# Altium PCB STM32F207VC.PcbDoc (part 10 of 16) (continued)
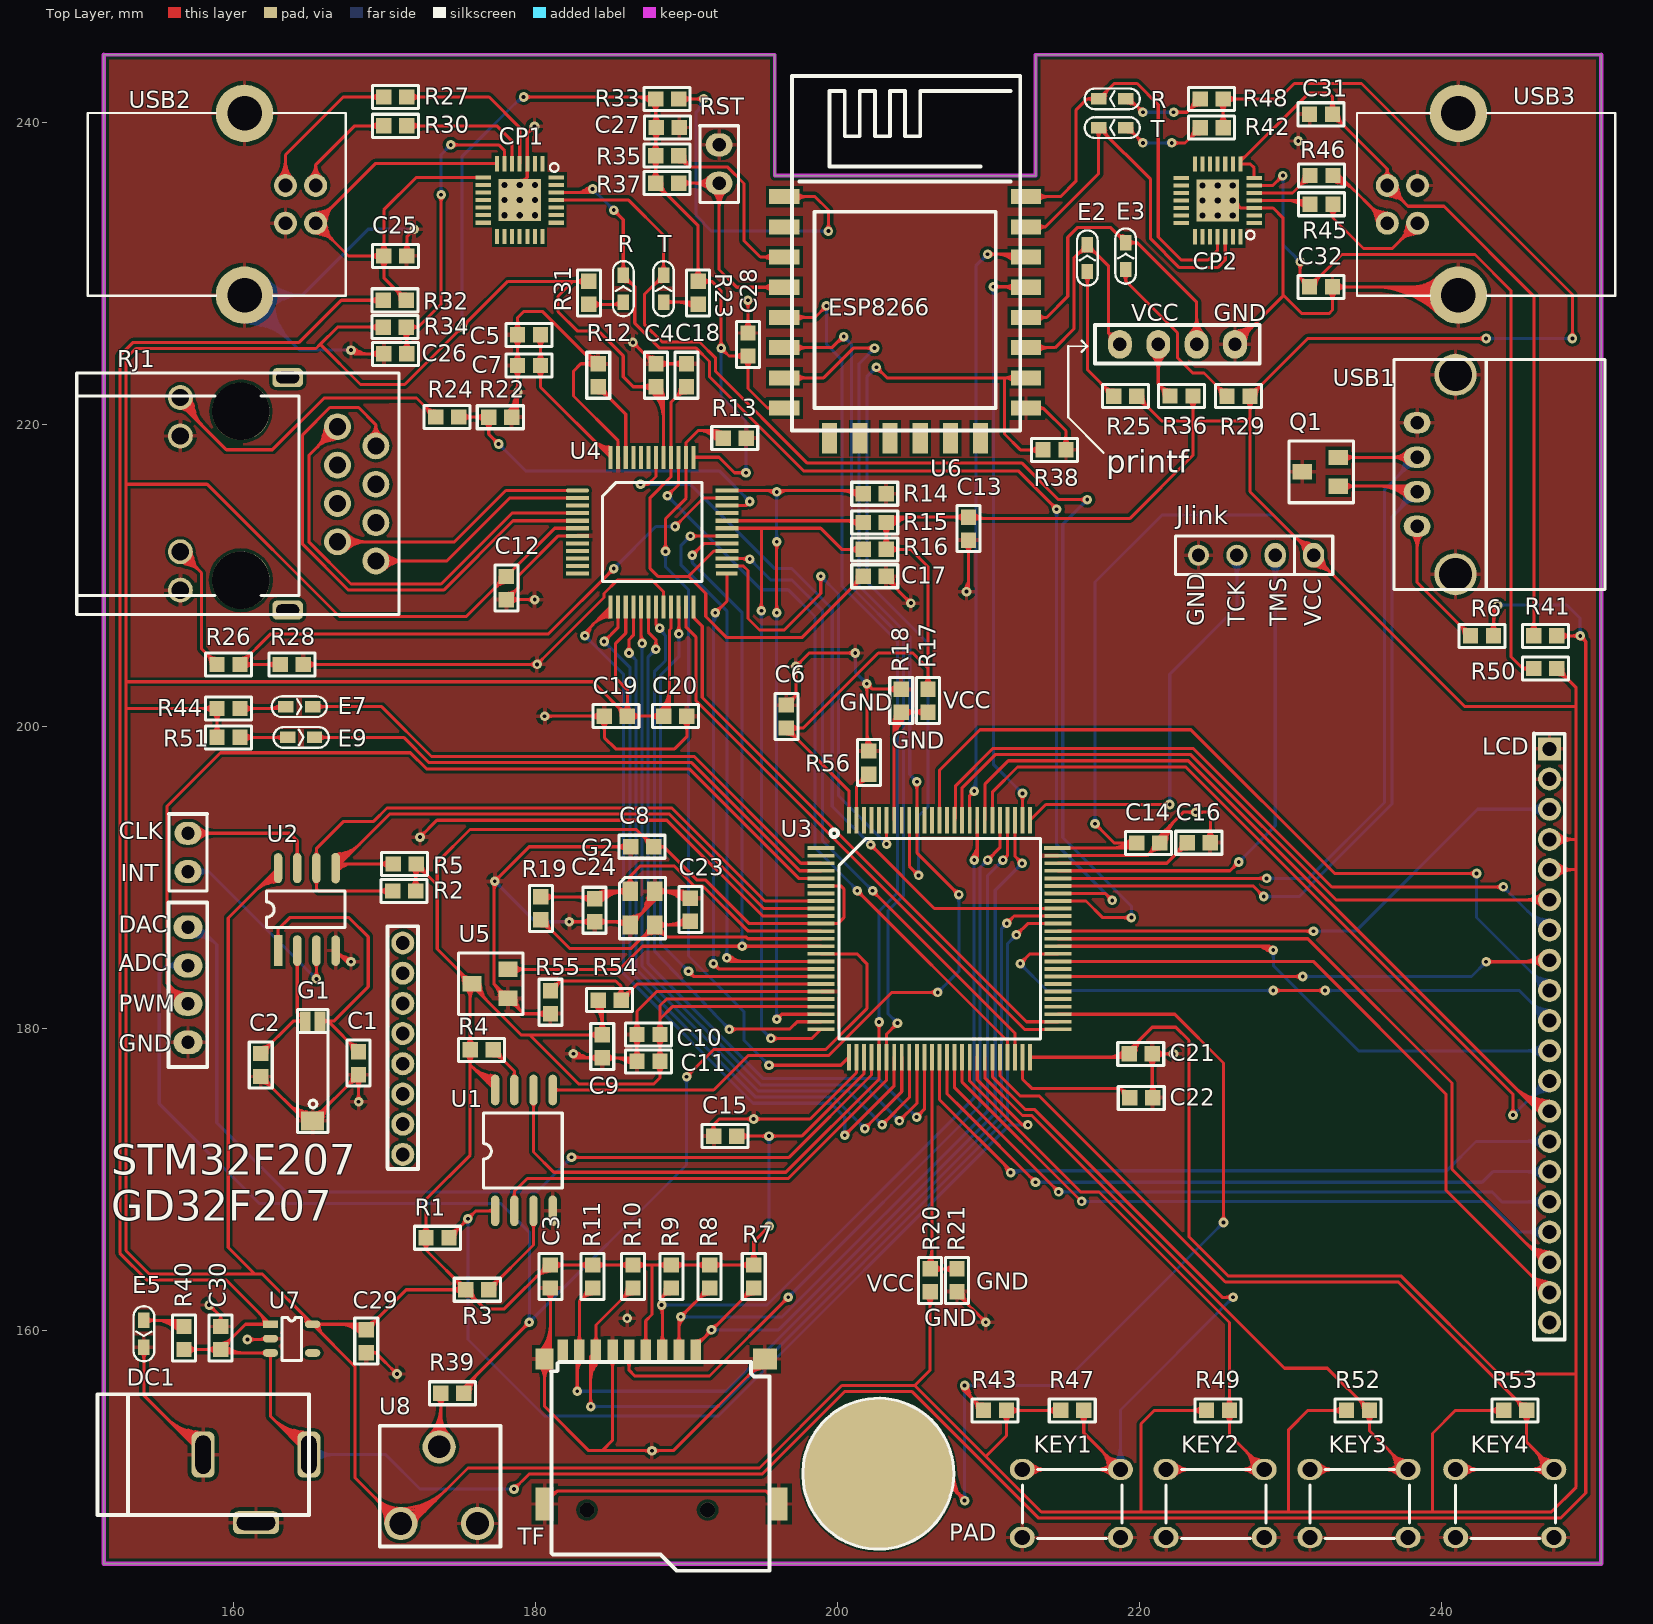
[diagram p0: Top Layer view]
## Nets (pads, with @x,y where several pads share a name; then routed paths per layer and width w, separated by ;. In a path a pad name is that pad's centre, name@x,y a point inside that pad or via, vN(x,y) a via of type N, cw(c..) or ccw(c..) an arc to the next point about the centre after c; other vN are vias at no path point) (continued)
  Bottom Layer w0.203: v1(173.736,235.204) 173.736,237.871 v1(174.371,238.506) ; v1@173.583,235.357 ccw(c173.215,235.725) 173.736,235.725 ; v1@173.583,235.357 ccw(c173.215,235.725) 173.736,235.725 ; v1@173.583,235.357 ccw(c173.215,235.725) 173.736,235.725 ; v1@173.583,235.357 ccw(c173.215,235.725) 173.736,235.725 ; 173.736,235.725 ccw(c174.257,235.725) v1@173.889,235.357 ; 173.736,235.725 ccw(c174.257,235.725) v1@173.889,235.357 ; 173.736,235.725 ccw(c174.257,235.725) v1@173.889,235.357 ; 173.736,235.725 ccw(c174.257,235.725) v1@173.889,235.357 ; 174.002,238.137 cw(c174.371,237.769) v1@174.371,238.29 ; 174.002,238.137 ccw(c173.634,238.506) v1@174.155,238.506 ; 174.002,238.137 cw(c174.371,237.769) v1@174.371,238.29 ; 174.002,238.137 ccw(c173.634,238.506) v1@174.155,238.506 ; 174.002,238.137 ccw(c173.634,238.506) v1@174.155,238.506 ; 174.002,238.137 cw(c174.371,237.769) v1@174.371,238.29 ; 174.002,238.137 ccw(c173.634,238.506) v1@174.155,238.506 ; 174.002,238.137 cw(c174.371,237.769) v1@174.371,238.29
NetC31_2: C31.2 CP2.7 CP2.8 R41.1 USB3.1 | length 138.1
  Top Layer w0.203: CP2.7@227.584,236.323 227.584,236.982 227.33,237.236 CP2.8@226.671,237.236 226.671,237.4 231.206,241.935 232.537,241.935 232.774,241.698 C31.2@232.774,240.532 ; R41.1@246.109,205.988 246.109,228.49 240.157,234.442 237.778,234.442 USB3.1@236.401,235.819 236.401,236.905 ; CP2.8@226.671,237.439 ccw(c226.671,237.533) CP2.8@226.737,237.467 ; CP2.8@226.671,237.439 ccw(c226.671,237.533) CP2.8@226.737,237.467 ; CP2.8@226.671,237.439 ccw(c226.671,237.533) CP2.8@226.737,237.467 ; CP2.8@226.671,237.439 ccw(c226.671,237.533) CP2.8@226.737,237.467 ; CP2.8@226.671,237.642 ccw(c226.671,238.226) 227.084,237.813 ; CP2.8@226.671,237.642 ccw(c226.671,238.226) 227.084,237.813 ; CP2.8@226.671,237.642 ccw(c226.671,238.226) 227.084,237.813 ; CP2.8@226.671,237.642 ccw(c226.671,238.226) 227.084,237.813 ; CP2.8@226.698,237.595 cw(c226.856,237.504) 226.809,237.679 ; CP2.8@226.698,237.595 cw(c226.856,237.504) 226.809,237.679 ; CP2.8@226.698,237.595 cw(c226.856,237.504) 226.809,237.679 ; CP2.8@226.698,237.595 cw(c226.856,237.504) 226.809,237.679 ; CP2.8@226.698,237.595 cw(c226.856,237.504) 226.809,237.679 ; CP2.8@226.698,237.595 cw(c226.856,237.504) 226.809,237.679 ; C31.2@232.486,240.819 ccw(c231.792,241.513) 232.774,241.513 ; C31.2@232.486,240.819 ccw(c231.792,241.513) 232.774,241.513 ; C31.2@232.486,240.819 ccw(c231.792,241.513) 232.774,241.513 ; C31.2@232.486,240.819 ccw(c231.792,241.513) 232.774,241.513 ; C31.2@232.774,240.126 cw(c232.774,239.145) 233.467,239.838 ; C31.2@232.774,240.126 cw(c232.774,239.145) 233.467,239.838 ; C31.2@232.774,240.126 cw(c232.774,239.145) 233.467,239.838 ; C31.2@232.774,240.126 cw(c232.774,239.145) 233.467,239.838 ; C31.2@232.774,240.532 cw(c232.631,239.836) 233.317,240.02 ; C31.2@232.774,240.532 ccw(c233.469,240.675) 233.286,239.988 ; C31.2@232.774,240.532 ccw(c233.469,240.675) 233.286,239.988 ; C31.2@232.774,240.532 cw(c232.631,239.836) 233.317,240.02 ; C31.2@232.774,240.532 ccw(c233.469,240.675) 233.286,239.988 ; C31.2@232.774,240.532 cw(c232.631,239.836) 233.317,240.02 ; C31.2@232.774,240.532 cw(c232.631,239.836) 233.317,240.02 ; C31.2@232.774,240.532 ccw(c233.469,240.675) 233.286,239.988 ; C31.2@232.774,240.532 cw(c232.631,239.836) 233.317,240.02 ; C31.2@232.774,240.532 ccw(c233.469,240.675) 233.286,239.988 ; C31.2@232.774,240.532 ccw(c233.469,240.675) 233.286,239.988 ; C31.2@232.774,240.532 cw(c232.631,239.836) 233.317,240.02 ; C31.2@232.774,240.532 236.401,236.905 ; 232.774,241.513 ccw(c233.755,241.513) C31.2@233.061,240.819 ; 232.774,241.513 ccw(c233.755,241.513) C31.2@233.061,240.819 ; 232.774,241.513 ccw(c233.755,241.513) C31.2@233.061,240.819 ; 232.774,241.513 ccw(c233.755,241.513) C31.2@233.061,240.819 ; C31.2@233.18,240.532 ccw(c234.161,240.532) 233.467,239.838 ; C31.2@233.18,240.532 ccw(c234.161,240.532) 233.467,239.838 ; C31.2@233.18,240.532 ccw(c234.161,240.532) 233.467,239.838 ; C31.2@233.18,240.532 ccw(c234.161,240.532) 233.467,239.838 ; USB3.1@236.053,235.748 ccw(c236.901,235.921) 236.677,235.085 ; USB3.1@236.053,235.748 ccw(c236.901,235.921) 236.677,235.085 ; USB3.1@236.053,235.748 ccw(c236.901,235.921) 236.677,235.085 ; USB3.1@236.053,235.748 ccw(c236.901,235.921) 236.677,235.085 ; USB3.1@236.053,235.748 ccw(c236.901,235.921) 236.677,235.085 ; USB3.1@236.097,236.405 ccw(c235.839,236.905) 236.401,236.905 ; USB3.1@236.097,236.405 ccw(c235.839,236.905) 236.401,236.905 ; USB3.1@236.097,236.405 ccw(c235.839,236.905) 236.401,236.905 ; USB3.1@236.097,236.405 ccw(c235.839,236.905) 236.401,236.905 ; USB3.1@236.252,235.788 ccw(c237.262,235.995) 236.995,234.999 ; USB3.1@236.252,235.788 ccw(c237.262,235.995) 236.995,234.999 ; USB3.1@236.252,235.788 ccw(c237.262,235.995) 236.995,234.999 ; USB3.1@236.252,235.788 ccw(c237.262,235.995) 236.995,234.999 ; USB3.1@236.252,235.788 ccw(c237.262,235.995) 236.995,234.999 ; USB3.1@236.4,235.768 cw(c236.393,235.144) 236.996,235.305 ; USB3.1@236.4,235.768 cw(c236.393,235.144) 236.996,235.305 ; USB3.1@236.4,235.768 cw(c236.393,235.144) 236.996,235.305 ; USB3.1@236.4,235.768 cw(c236.393,235.144) 236.996,235.305 ; USB3.1@236.4,235.768 cw(c236.393,235.144) 236.996,235.305 ; USB3.1@236.4,235.768 cw(c236.393,235.144) 236.996,235.305 ; USB3.1@236.401,235.159 cw(c236.401,233.564) 237.528,234.692 ; USB3.1@236.401,235.159 cw(c236.401,233.564) 237.528,234.692 ; USB3.1@236.401,235.159 cw(c236.401,233.564) 237.528,234.692 ; USB3.1@236.401,235.159 cw(c236.401,233.564) 237.528,234.692 ; USB3.1@236.401,235.362 cw(c236.401,234.258) 237.181,235.038 ; USB3.1@236.401,235.362 cw(c236.401,234.258) 237.181,235.038 ; USB3.1@236.401,235.362 cw(c236.401,234.258) 237.181,235.038 ; USB3.1@236.401,235.362 cw(c236.401,234.258) 237.181,235.038 ; 236.401,236.905 ccw(c236.963,236.905) USB3.1@236.705,236.405 ; 236.401,236.905 ccw(c236.963,236.905) USB3.1@236.705,236.405 ; 236.401,236.905 ccw(c236.963,236.905) USB3.1@236.705,236.405 ; 236.401,236.905 ccw(c236.963,236.905) USB3.1@236.705,236.405 ; USB3.1@236.432,235.968 cw(c236.225,234.958) 237.221,235.225 ; USB3.1@236.432,235.968 cw(c236.225,234.958) 237.221,235.225 ; USB3.1@236.432,235.968 cw(c236.225,234.958) 237.221,235.225 ; USB3.1@236.432,235.968 cw(c236.225,234.958) 237.221,235.225 ; USB3.1@236.432,235.968 cw(c236.225,234.958) 237.221,235.225 ; USB3.1@236.432,235.968 cw(c236.225,234.958) 237.221,235.225 ; USB3.1@236.452,235.82 ccw(c237.076,235.827) 236.914,235.224 ; USB3.1@236.452,235.82 ccw(c237.076,235.827) 236.914,235.224 ; USB3.1@236.452,235.82 ccw(c237.076,235.827) 236.914,235.224 ; USB3.1@236.452,235.82 ccw(c237.076,235.827) 236.914,235.224 ; USB3.1@236.452,235.82 ccw(c237.076,235.827) 236.914,235.224 ; USB3.1@236.452,235.82 ccw(c237.076,235.827) 236.914,235.224 ; USB3.1@236.472,236.167 cw(c236.299,235.319) 237.135,235.543 ; USB3.1@236.472,236.167 cw(c236.299,235.319) 237.135,235.543 ; USB3.1@236.472,236.167 cw(c236.299,235.319) 237.135,235.543 ; USB3.1@236.472,236.167 cw(c236.299,235.319) 237.135,235.543 ; USB3.1@236.472,236.167 cw(c236.299,235.319) 237.135,235.543 ; USB3.1@236.472,236.167 cw(c236.299,235.319) 237.135,235.543 ; USB3.1@236.858,235.819 ccw(c237.962,235.819) 237.181,235.038 ; USB3.1@236.858,235.819 ccw(c237.962,235.819) 237.181,235.038 ; USB3.1@236.858,235.819 ccw(c237.962,235.819) 237.181,235.038 ; USB3.1@236.858,235.819 ccw(c237.962,235.819) 237.181,235.038 ; USB3.1@237.061,235.819 ccw(c238.656,235.819) 237.528,234.692 ; USB3.1@237.061,235.819 ccw(c238.656,235.819) 237.528,234.692 ; USB3.1@237.061,235.819 ccw(c238.656,235.819) 237.528,234.692 ; USB3.1@237.061,235.819 ccw(c238.656,235.819) 237.528,234.692 ; R41.1@245.821,206.275 ccw(c245.127,206.969) 246.109,206.969 ; R41.1@245.821,206.275 ccw(c245.127,206.969) 246.109,206.969 ; R41.1@245.821,206.275 ccw(c245.127,206.969) 246.109,206.969 ; R41.1@245.821,206.275 ccw(c245.127,206.969) 246.109,206.969 ; 246.109,206.969 ccw(c247.09,206.969) R41.1@246.396,206.275 ; 246.109,206.969 ccw(c247.09,206.969) R41.1@246.396,206.275 ; 246.109,206.969 ccw(c247.09,206.969) R41.1@246.396,206.275 ; 246.109,206.969 ccw(c247.09,206.969) R41.1@246.396,206.275
NetC32_1: C32.1 CP2.6 R50.1 | length 94.3
  Top Layer w0.203: CP2.6@227.584,235.823 228.838,235.823 v1(229.489,236.474) ; v1(230.632,230.759) 230.632,229.72 ; R50.1@246.109,203.829 245.37,203.829 ; 229.12,236.105 cw(c229.489,235.737) v1@229.489,236.258 ; 229.12,236.105 ccw(c228.752,236.474) v1@229.273,236.474 ; 229.12,236.105 cw(c229.489,235.737) v1@229.489,236.258 ; 229.12,236.105 ccw(c228.752,236.474) v1@229.273,236.474 ; 229.12,236.105 ccw(c228.752,236.474) v1@229.273,236.474 ; 229.12,236.105 cw(c229.489,235.737) v1@229.489,236.258 ; 229.12,236.105 ccw(c228.752,236.474) v1@229.273,236.474 ; 229.12,236.105 cw(c229.489,235.737) v1@229.489,236.258 ; 229.195,236.182 cw(c229.569,236.082) v1@229.492,236.462 ; 229.195,236.182 cw(c229.569,236.082) v1@229.492,236.462 ; 229.195,236.182 cw(c229.569,236.082) v1@229.492,236.462 ; 229.195,236.182 cw(c229.569,236.082) v1@229.492,236.462 ; 229.195,236.182 cw(c229.569,236.082) v1@229.492,236.462 ; 229.195,236.182 cw(c229.569,236.082) v1@229.492,236.462 ; 229.197,236.18 ccw(c229.097,236.554) v1@229.477,236.477 ; 229.197,236.18 ccw(c229.097,236.554) v1@229.477,236.477 ; 229.197,236.18 ccw(c229.097,236.554) v1@229.477,236.477 ; 229.197,236.18 ccw(c229.097,236.554) v1@229.477,236.477 ; 229.197,236.18 ccw(c229.097,236.554) v1@229.477,236.477 ; 229.197,236.18 ccw(c229.097,236.554) v1@229.477,236.477 ; v1@230.479,230.606 cw(c230.111,230.238) 230.632,230.238 ; v1@230.479,230.606 cw(c230.111,230.238) 230.632,230.238 ; v1@230.479,230.606 cw(c230.111,230.238) 230.632,230.238 ; v1@230.479,230.606 cw(c230.111,230.238) 230.632,230.238 ; 230.632,229.72 cw(c230.112,229.2) C32.1@230.845,229.137 ; 230.632,229.72 ccw(c231.152,230.24) C32.1@231.215,229.507 ; 230.632,229.72 cw(c230.112,229.2) C32.1@230.845,229.137 ; 230.632,229.72 ccw(c231.152,230.24) C32.1@231.215,229.507 ; 230.632,229.72 ccw(c231.152,230.24) C32.1@231.215,229.507 ; 230.632,229.72 cw(c230.112,229.2) C32.1@230.845,229.137 ; 230.632,229.72 ccw(c231.152,230.24) C32.1@231.215,229.507 ; 230.632,229.72 cw(c230.112,229.2) C32.1@230.845,229.137 ; 230.632,229.72 C32.1@231.25,229.102 ; 230.632,230.238 cw(c231.153,230.238) v1@230.785,230.606 ; 230.632,230.238 cw(c231.153,230.238) v1@230.785,230.606 ; 230.632,230.238 cw(c231.153,230.238) v1@230.785,230.606 ; 230.632,230.238 cw(c231.153,230.238) v1@230.785,230.606 ; C32.1@231.25,229.102 cw(c231.945,228.96) 231.762,229.646 ; C32.1@231.25,229.102 ccw(c231.107,229.798) 231.793,229.614 ; C32.1@231.25,229.102 ccw(c231.107,229.798) 231.793,229.614 ; C32.1@231.25,229.102 cw(c231.945,228.96) 231.762,229.646 ; C32.1@231.25,229.102 ccw(c231.107,229.798) 231.793,229.614 ; C32.1@231.25,229.102 cw(c231.945,228.96) 231.762,229.646 ; C32.1@231.25,229.102 cw(c231.945,228.96) 231.762,229.646 ; C32.1@231.25,229.102 ccw(c231.107,229.798) 231.793,229.614 ; C32.1@231.25,229.102 cw(c231.945,228.96) 231.762,229.646 ; C32.1@231.25,229.102 ccw(c231.107,229.798) 231.793,229.614 ; C32.1@231.25,229.102 ccw(c231.107,229.798) 231.793,229.614 ; C32.1@231.25,229.102 cw(c231.945,228.96) 231.762,229.646 ; C32.1@231.25,229.102 233.389,231.242 242.214,231.242 244.602,228.854 244.602,204.597 245.37,203.829 ; C32.1@231.25,229.508 ccw(c231.25,230.49) 231.943,229.796 ; C32.1@231.25,229.508 ccw(c231.25,230.49) 231.943,229.796 ; C32.1@231.25,229.508 ccw(c231.25,230.49) 231.943,229.796 ; C32.1@231.25,229.508 ccw(c231.25,230.49) 231.943,229.796 ; C32.1@231.656,229.102 cw(c232.637,229.102) 231.943,229.796 ; C32.1@231.656,229.102 cw(c232.637,229.102) 231.943,229.796 ; C32.1@231.656,229.102 cw(c232.637,229.102) 231.943,229.796 ; C32.1@231.656,229.102 cw(c232.637,229.102) 231.943,229.796 ; 245.37,203.829 cw(c245.37,203.361) R50.1@245.765,203.612 ; 245.37,203.829 ccw(c245.37,204.297) R50.1@245.765,204.047 ; 245.37,203.829 cw(c245.37,203.361) R50.1@245.765,203.612 ; 245.37,203.829 ccw(c245.37,204.297) R50.1@245.765,204.047 ; 245.37,203.829 ccw(c245.37,204.297) R50.1@245.765,204.047 ; 245.37,203.829 cw(c245.37,203.361) R50.1@245.765,203.612 ; 245.37,203.829 ccw(c245.37,204.297) R50.1@245.765,204.047 ; 245.37,203.829 cw(c245.37,203.361) R50.1@245.765,203.612
  Bottom Layer w0.203: v1(229.489,236.474) 229.489,231.902 v1(230.632,230.759) ; v1@229.336,236.321 cw(c228.968,235.953) 229.489,235.953 ; v1@229.336,236.321 cw(c228.968,235.953) 229.489,235.953 ; v1@229.336,236.321 cw(c228.968,235.953) 229.489,235.953 ; v1@229.336,236.321 cw(c228.968,235.953) 229.489,235.953 ; 229.489,235.953 cw(c230.01,235.953) v1@229.642,236.321 ; 229.489,235.953 cw(c230.01,235.953) v1@229.642,236.321 ; 229.489,235.953 cw(c230.01,235.953) v1@229.642,236.321 ; 229.489,235.953 cw(c230.01,235.953) v1@229.642,236.321 ; 230.263,231.128 cw(c229.895,230.759) v1@230.416,230.759 ; 230.263,231.128 ccw(c230.632,231.496) v1@230.632,230.975 ; 230.263,231.128 cw(c229.895,230.759) v1@230.416,230.759 ; 230.263,231.128 ccw(c230.632,231.496) v1@230.632,230.975 ; 230.263,231.128 ccw(c230.632,231.496) v1@230.632,230.975 ; 230.263,231.128 cw(c229.895,230.759) v1@230.416,230.759 ; 230.263,231.128 ccw(c230.632,231.496) v1@230.632,230.975 ; 230.263,231.128 cw(c229.895,230.759) v1@230.416,230.759
NetCON2_2: printf.2 R36.2 | length 37.1
  Top Layer w0.203: printf.2@221.234,225.298 221.234,222.654 R36.2@222.013,221.875 ; printf.2@220.749,224.648 cw(c219.578,223.477) 221.234,223.477 ; printf.2@220.749,224.648 cw(c219.578,223.477) 221.234,223.477 ; printf.2@220.749,224.648 cw(c219.578,223.477) 221.234,223.477 ; printf.2@220.749,224.648 cw(c219.578,223.477) 221.234,223.477 ; printf.2@220.893,224.792 cw(c220.069,223.968) 221.234,223.968 ; printf.2@220.893,224.792 cw(c220.069,223.968) 221.234,223.968 ; printf.2@220.893,224.792 cw(c220.069,223.968) 221.234,223.968 ; printf.2@220.893,224.792 cw(c220.069,223.968) 221.234,223.968 ; 221.234,223.477 cw(c222.89,223.477) printf.2@221.719,224.648 ; 221.234,223.477 cw(c222.89,223.477) printf.2@221.719,224.648 ; 221.234,223.477 cw(c222.89,223.477) printf.2@221.719,224.648 ; 221.234,223.477 cw(c222.89,223.477) printf.2@221.719,224.648 ; 221.234,223.968 cw(c222.399,223.968) printf.2@221.575,224.792 ; 221.234,223.968 cw(c222.399,223.968) printf.2@221.575,224.792 ; 221.234,223.968 cw(c222.399,223.968) printf.2@221.575,224.792 ; 221.234,223.968 cw(c222.399,223.968) printf.2@221.575,224.792 ; 221.32,222.569 cw(c220.626,221.875) R36.2@221.607,221.875 ; 221.32,222.569 ccw(c222.013,223.262) R36.2@222.013,222.281 ; 221.32,222.569 cw(c220.626,221.875) R36.2@221.607,221.875 ; 221.32,222.569 ccw(c222.013,223.262) R36.2@222.013,222.281 ; 221.32,222.569 ccw(c222.013,223.262) R36.2@222.013,222.281 ; 221.32,222.569 cw(c220.626,221.875) R36.2@221.607,221.875 ; 221.32,222.569 ccw(c222.013,223.262) R36.2@222.013,222.281 ; 221.32,222.569 cw(c220.626,221.875) R36.2@221.607,221.875 ; 221.47,222.387 ccw(c222.156,222.571) R36.2@222.013,221.875 ; 221.47,222.387 ccw(c222.156,222.571) R36.2@222.013,221.875 ; 221.47,222.387 ccw(c222.156,222.571) R36.2@222.013,221.875 ; 221.47,222.387 ccw(c222.156,222.571) R36.2@222.013,221.875 ; 221.47,222.387 ccw(c222.156,222.571) R36.2@222.013,221.875 ; 221.47,222.387 ccw(c222.156,222.571) R36.2@222.013,221.875 ; 221.501,222.419 cw(c221.318,221.732) R36.2@222.013,221.875 ; 221.501,222.419 cw(c221.318,221.732) R36.2@222.013,221.875 ; 221.501,222.419 cw(c221.318,221.732) R36.2@222.013,221.875 ; 221.501,222.419 cw(c221.318,221.732) R36.2@222.013,221.875 ; 221.501,222.419 cw(c221.318,221.732) R36.2@222.013,221.875 ; 221.501,222.419 cw(c221.318,221.732) R36.2@222.013,221.875
NetCP1_4: CP1.4 R27.2 | length 16.9
  Top Layer w0.203: R27.2@171.467,241.675 176.917,241.675 178.943,239.649 CP1.4@178.943,237.261 ; R27.2@171.755,241.388 cw(c172.449,240.694) 172.449,241.675 ; R27.2@171.755,241.388 cw(c172.449,240.694) 172.449,241.675 ; R27.2@171.755,241.388 cw(c172.449,240.694) 172.449,241.675 ; R27.2@171.755,241.388 cw(c172.449,240.694) 172.449,241.675 ; R27.2@171.755,241.962 ccw(c172.449,242.656) 172.449,241.675 ; R27.2@171.755,241.962 ccw(c172.449,242.656) 172.449,241.675 ; R27.2@171.755,241.962 ccw(c172.449,242.656) 172.449,241.675 ; R27.2@171.755,241.962 ccw(c172.449,242.656) 172.449,241.675
NetCP1_5: CP1.5 R30.2 | length 15.1
  Top Layer w0.203: R30.2@171.467,239.77 177.425,239.77 178.443,238.752 CP1.5@178.443,237.261 ; R30.2@171.755,239.483 cw(c172.449,238.789) 172.449,239.77 ; R30.2@171.755,239.483 cw(c172.449,238.789) 172.449,239.77 ; R30.2@171.755,239.483 cw(c172.449,238.789) 172.449,239.77 ; R30.2@171.755,239.483 cw(c172.449,238.789) 172.449,239.77 ; R30.2@171.755,240.057 ccw(c172.449,240.751) 172.449,239.77 ; R30.2@171.755,240.057 ccw(c172.449,240.751) 172.449,239.77 ; R30.2@171.755,240.057 ccw(c172.449,240.751) 172.449,239.77 ; R30.2@171.755,240.057 ccw(c172.449,240.751) 172.449,239.77
NetCP2_4: CP2.4 R45.2 | length 19.9
  Top Layer w0.203: CP2.4@227.584,234.823 231.036,234.823 R45.2@231.284,234.575 ; 229.704,234.823 cw(c229.704,232.995) R45.2@230.997,234.288 ; 229.704,234.823 cw(c229.704,232.995) R45.2@230.997,234.288 ; 229.704,234.823 cw(c229.704,232.995) R45.2@230.997,234.288 ; 229.704,234.823 cw(c229.704,232.995) R45.2@230.997,234.288 ; 230.195,234.823 cw(c230.195,233.486) R45.2@231.141,234.431 ; 230.195,234.823 cw(c230.195,233.486) R45.2@231.141,234.431 ; 230.195,234.823 cw(c230.195,233.486) R45.2@231.141,234.431 ; 230.195,234.823 cw(c230.195,233.486) R45.2@231.141,234.431 ; 230.639,234.721 ccw(c230.752,234.916) R45.2@230.942,234.794 ; 230.639,234.721 ccw(c230.752,234.916) R45.2@230.942,234.794 ; 230.639,234.721 ccw(c230.752,234.916) R45.2@230.942,234.794 ; 230.639,234.721 ccw(c230.752,234.916) R45.2@230.942,234.794 ; 230.639,234.721 ccw(c230.752,234.916) R45.2@230.942,234.794 ; 230.639,234.721 ccw(c230.752,234.916) R45.2@230.942,234.794 ; 230.686,234.823 cw(c230.686,233.976) R45.2@231.284,234.575 ; 230.686,234.823 cw(c230.686,233.976) R45.2@231.284,234.575 ; 230.686,234.823 cw(c230.686,233.976) R45.2@231.284,234.575 ; 230.686,234.823 cw(c230.686,233.976) R45.2@231.284,234.575 ; 230.747,234.659 cw(c230.591,234.389) R45.2@230.892,234.47 ; 230.747,234.659 cw(c230.591,234.389) R45.2@230.892,234.47 ; 230.747,234.659 cw(c230.591,234.389) R45.2@230.892,234.47 ; 230.747,234.659 cw(c230.591,234.389) R45.2@230.892,234.47 ; 230.747,234.659 cw(c230.591,234.389) R45.2@230.892,234.47 ; 230.747,234.659 cw(c230.591,234.389) R45.2@230.892,234.47
NetCP2_5: CP2.5 R46.2 | length 19.8
  Top Layer w0.203: CP2.5@227.584,235.323 230.127,235.323 R46.2@231.284,236.48 ; 230.591,235.786 cw(c231.284,235.092) R46.2@231.284,236.074 ; 230.591,235.786 ccw(c229.897,236.48) R46.2@230.878,236.48 ; 230.591,235.786 cw(c231.284,235.092) R46.2@231.284,236.074 ; 230.591,235.786 ccw(c229.897,236.48) R46.2@230.878,236.48 ; 230.591,235.786 ccw(c229.897,236.48) R46.2@230.878,236.48 ; 230.591,235.786 cw(c231.284,235.092) R46.2@231.284,236.074 ; 230.591,235.786 ccw(c229.897,236.48) R46.2@230.878,236.48 ; 230.591,235.786 cw(c231.284,235.092) R46.2@231.284,236.074 ; 230.741,235.968 cw(c231.427,235.784) R46.2@231.284,236.48 ; 230.741,235.968 cw(c231.427,235.784) R46.2@231.284,236.48 ; 230.741,235.968 cw(c231.427,235.784) R46.2@231.284,236.48 ; 230.741,235.968 cw(c231.427,235.784) R46.2@231.284,236.48 ; 230.741,235.968 cw(c231.427,235.784) R46.2@231.284,236.48 ; 230.741,235.968 cw(c231.427,235.784) R46.2@231.284,236.48 ; 230.772,235.936 ccw(c230.589,236.622) R46.2@231.284,236.48 ; 230.772,235.936 ccw(c230.589,236.622) R46.2@231.284,236.48 ; 230.772,235.936 ccw(c230.589,236.622) R46.2@231.284,236.48 ; 230.772,235.936 ccw(c230.589,236.622) R46.2@231.284,236.48 ; 230.772,235.936 ccw(c230.589,236.622) R46.2@231.284,236.48 ; 230.772,235.936 ccw(c230.589,236.622) R46.2@231.284,236.48
NetE1_1: R23.1 T.1@188.468,228.092 | length 15.7
  Top Layer w0.203: T.1@188.468,228.092 R23.1@190.608,228.092 ; T.1@188.666,227.894 cw(c189.143,227.417) 189.143,228.092 ; T.1@188.666,227.894 cw(c189.143,227.417) 189.143,228.092 ; T.1@188.666,227.894 cw(c189.143,227.417) 189.143,228.092 ; T.1@188.666,227.894 cw(c189.143,227.417) 189.143,228.092 ; T.1@188.666,228.29 ccw(c189.143,228.767) 189.143,228.092 ; T.1@188.666,228.29 ccw(c189.143,228.767) 189.143,228.092 ; T.1@188.666,228.29 ccw(c189.143,228.767) 189.143,228.092 ; T.1@188.666,228.29 ccw(c189.143,228.767) 189.143,228.092 ; 189.411,228.092 cw(c189.411,226.591) R23.1@190.473,227.652 ; 189.411,228.092 cw(c189.411,226.591) R23.1@190.473,227.652 ; 189.411,228.092 cw(c189.411,226.591) R23.1@190.473,227.652 ; 189.411,228.092 cw(c189.411,226.591) R23.1@190.473,227.652 ; 189.901,228.092 cw(c189.901,227.081) R23.1@190.616,227.796 ; 189.901,228.092 cw(c189.901,227.081) R23.1@190.616,227.796 ; 189.901,228.092 cw(c189.901,227.081) R23.1@190.616,227.796 ; 189.901,228.092 cw(c189.901,227.081) R23.1@190.616,227.796 ; 190.147,228.092 ccw(c190.147,228.553) R23.1@190.473,228.227 ; 190.147,228.092 ccw(c190.147,228.553) R23.1@190.473,228.227 ; 190.147,228.092 ccw(c190.147,228.553) R23.1@190.473,228.227 ; 190.147,228.092 ccw(c190.147,228.553) R23.1@190.473,228.227
NetE2_1: E2.1 R25.1 | length 28.8
  Top Layer w0.203: E2.1@216.535,230.124 216.535,223.624 R25.1@218.296,221.863 ; E2.1@216.337,229.799 cw(c215.86,229.322) 216.535,229.322 ; E2.1@216.337,229.799 cw(c215.86,229.322) 216.535,229.322 ; E2.1@216.337,229.799 cw(c215.86,229.322) 216.535,229.322 ; E2.1@216.337,229.799 cw(c215.86,229.322) 216.535,229.322 ; 216.535,229.322 cw(c217.21,229.322) E2.1@216.733,229.799 ; 216.535,229.322 cw(c217.21,229.322) E2.1@216.733,229.799 ; 216.535,229.322 cw(c217.21,229.322) E2.1@216.733,229.799 ; 216.535,229.322 cw(c217.21,229.322) E2.1@216.733,229.799 ; 217.602,222.557 cw(c216.908,221.863) R25.1@217.889,221.863 ; 217.602,222.557 ccw(c218.296,223.251) R25.1@218.296,222.269 ; 217.602,222.557 cw(c216.908,221.863) R25.1@217.889,221.863 ; 217.602,222.557 ccw(c218.296,223.251) R25.1@218.296,222.269 ; 217.602,222.557 ccw(c218.296,223.251) R25.1@218.296,222.269 ; 217.602,222.557 cw(c216.908,221.863) R25.1@217.889,221.863 ; 217.602,222.557 ccw(c218.296,223.251) R25.1@218.296,222.269 ; 217.602,222.557 cw(c216.908,221.863) R25.1@217.889,221.863 ; 217.752,222.375 ccw(c218.438,222.559) R25.1@218.296,221.863 ; 217.752,222.375 ccw(c218.438,222.559) R25.1@218.296,221.863 ; 217.752,222.375 ccw(c218.438,222.559) R25.1@218.296,221.863 ; 217.752,222.375 ccw(c218.438,222.559) R25.1@218.296,221.863 ; 217.752,222.375 ccw(c218.438,222.559) R25.1@218.296,221.863 ; 217.752,222.375 ccw(c218.438,222.559) R25.1@218.296,221.863 ; 217.784,222.407 cw(c217.6,221.721) R25.1@218.296,221.863 ; 217.784,222.407 cw(c217.6,221.721) R25.1@218.296,221.863 ; 217.784,222.407 cw(c217.6,221.721) R25.1@218.296,221.863 ; 217.784,222.407 cw(c217.6,221.721) R25.1@218.296,221.863 ; 217.784,222.407 cw(c217.6,221.721) R25.1@218.296,221.863 ; 217.784,222.407 cw(c217.6,221.721) R25.1@218.296,221.863
NetE3_1: E3.1 R29.1 | length 31.1
  Top Layer w0.203: E3.1@219.075,230.251 219.075,229.489 ; E3.1@218.886,229.918 cw(c218.493,229.489) 219.075,229.489 ; E3.1@218.886,229.918 cw(c218.493,229.489) 219.075,229.489 ; E3.1@218.886,229.918 cw(c218.493,229.489) 219.075,229.489 ; E3.1@218.886,229.918 cw(c218.493,229.489) 219.075,229.489 ; 219.075,229.489 cw(c219.657,229.489) E3.1@219.264,229.918 ; 219.075,229.489 cw(c219.657,229.489) E3.1@219.264,229.918 ; 219.075,229.489 cw(c219.657,229.489) E3.1@219.264,229.918 ; 219.075,229.489 cw(c219.657,229.489) E3.1@219.264,229.918 ; 219.075,229.489 222.504,226.06 222.504,224.409 223.52,223.393 224.259,223.393 R29.1@225.789,221.863 ; 225.095,222.557 cw(c224.401,221.863) R29.1@225.382,221.863 ; 225.095,222.557 ccw(c225.789,223.251) R29.1@225.789,222.269 ; 225.095,222.557 cw(c224.401,221.863) R29.1@225.382,221.863 ; 225.095,222.557 ccw(c225.789,223.251) R29.1@225.789,222.269 ; 225.095,222.557 ccw(c225.789,223.251) R29.1@225.789,222.269 ; 225.095,222.557 cw(c224.401,221.863) R29.1@225.382,221.863 ; 225.095,222.557 ccw(c225.789,223.251) R29.1@225.789,222.269 ; 225.095,222.557 cw(c224.401,221.863) R29.1@225.382,221.863 ; 225.245,222.375 ccw(c225.931,222.559) R29.1@225.789,221.863 ; 225.245,222.375 ccw(c225.931,222.559) R29.1@225.789,221.863 ; 225.245,222.375 ccw(c225.931,222.559) R29.1@225.789,221.863 ; 225.245,222.375 ccw(c225.931,222.559) R29.1@225.789,221.863 ; 225.245,222.375 ccw(c225.931,222.559) R29.1@225.789,221.863 ; 225.245,222.375 ccw(c225.931,222.559) R29.1@225.789,221.863 ; 225.277,222.407 cw(c225.093,221.721) R29.1@225.789,221.863 ; 225.277,222.407 cw(c225.093,221.721) R29.1@225.789,221.863 ; 225.277,222.407 cw(c225.093,221.721) R29.1@225.789,221.863 ; 225.277,222.407 cw(c225.093,221.721) R29.1@225.789,221.863 ; 225.277,222.407 cw(c225.093,221.721) R29.1@225.789,221.863 ; 225.277,222.407 cw(c225.093,221.721) R29.1@225.789,221.863